# KiCad board VNA.kicad_pcb (continued)
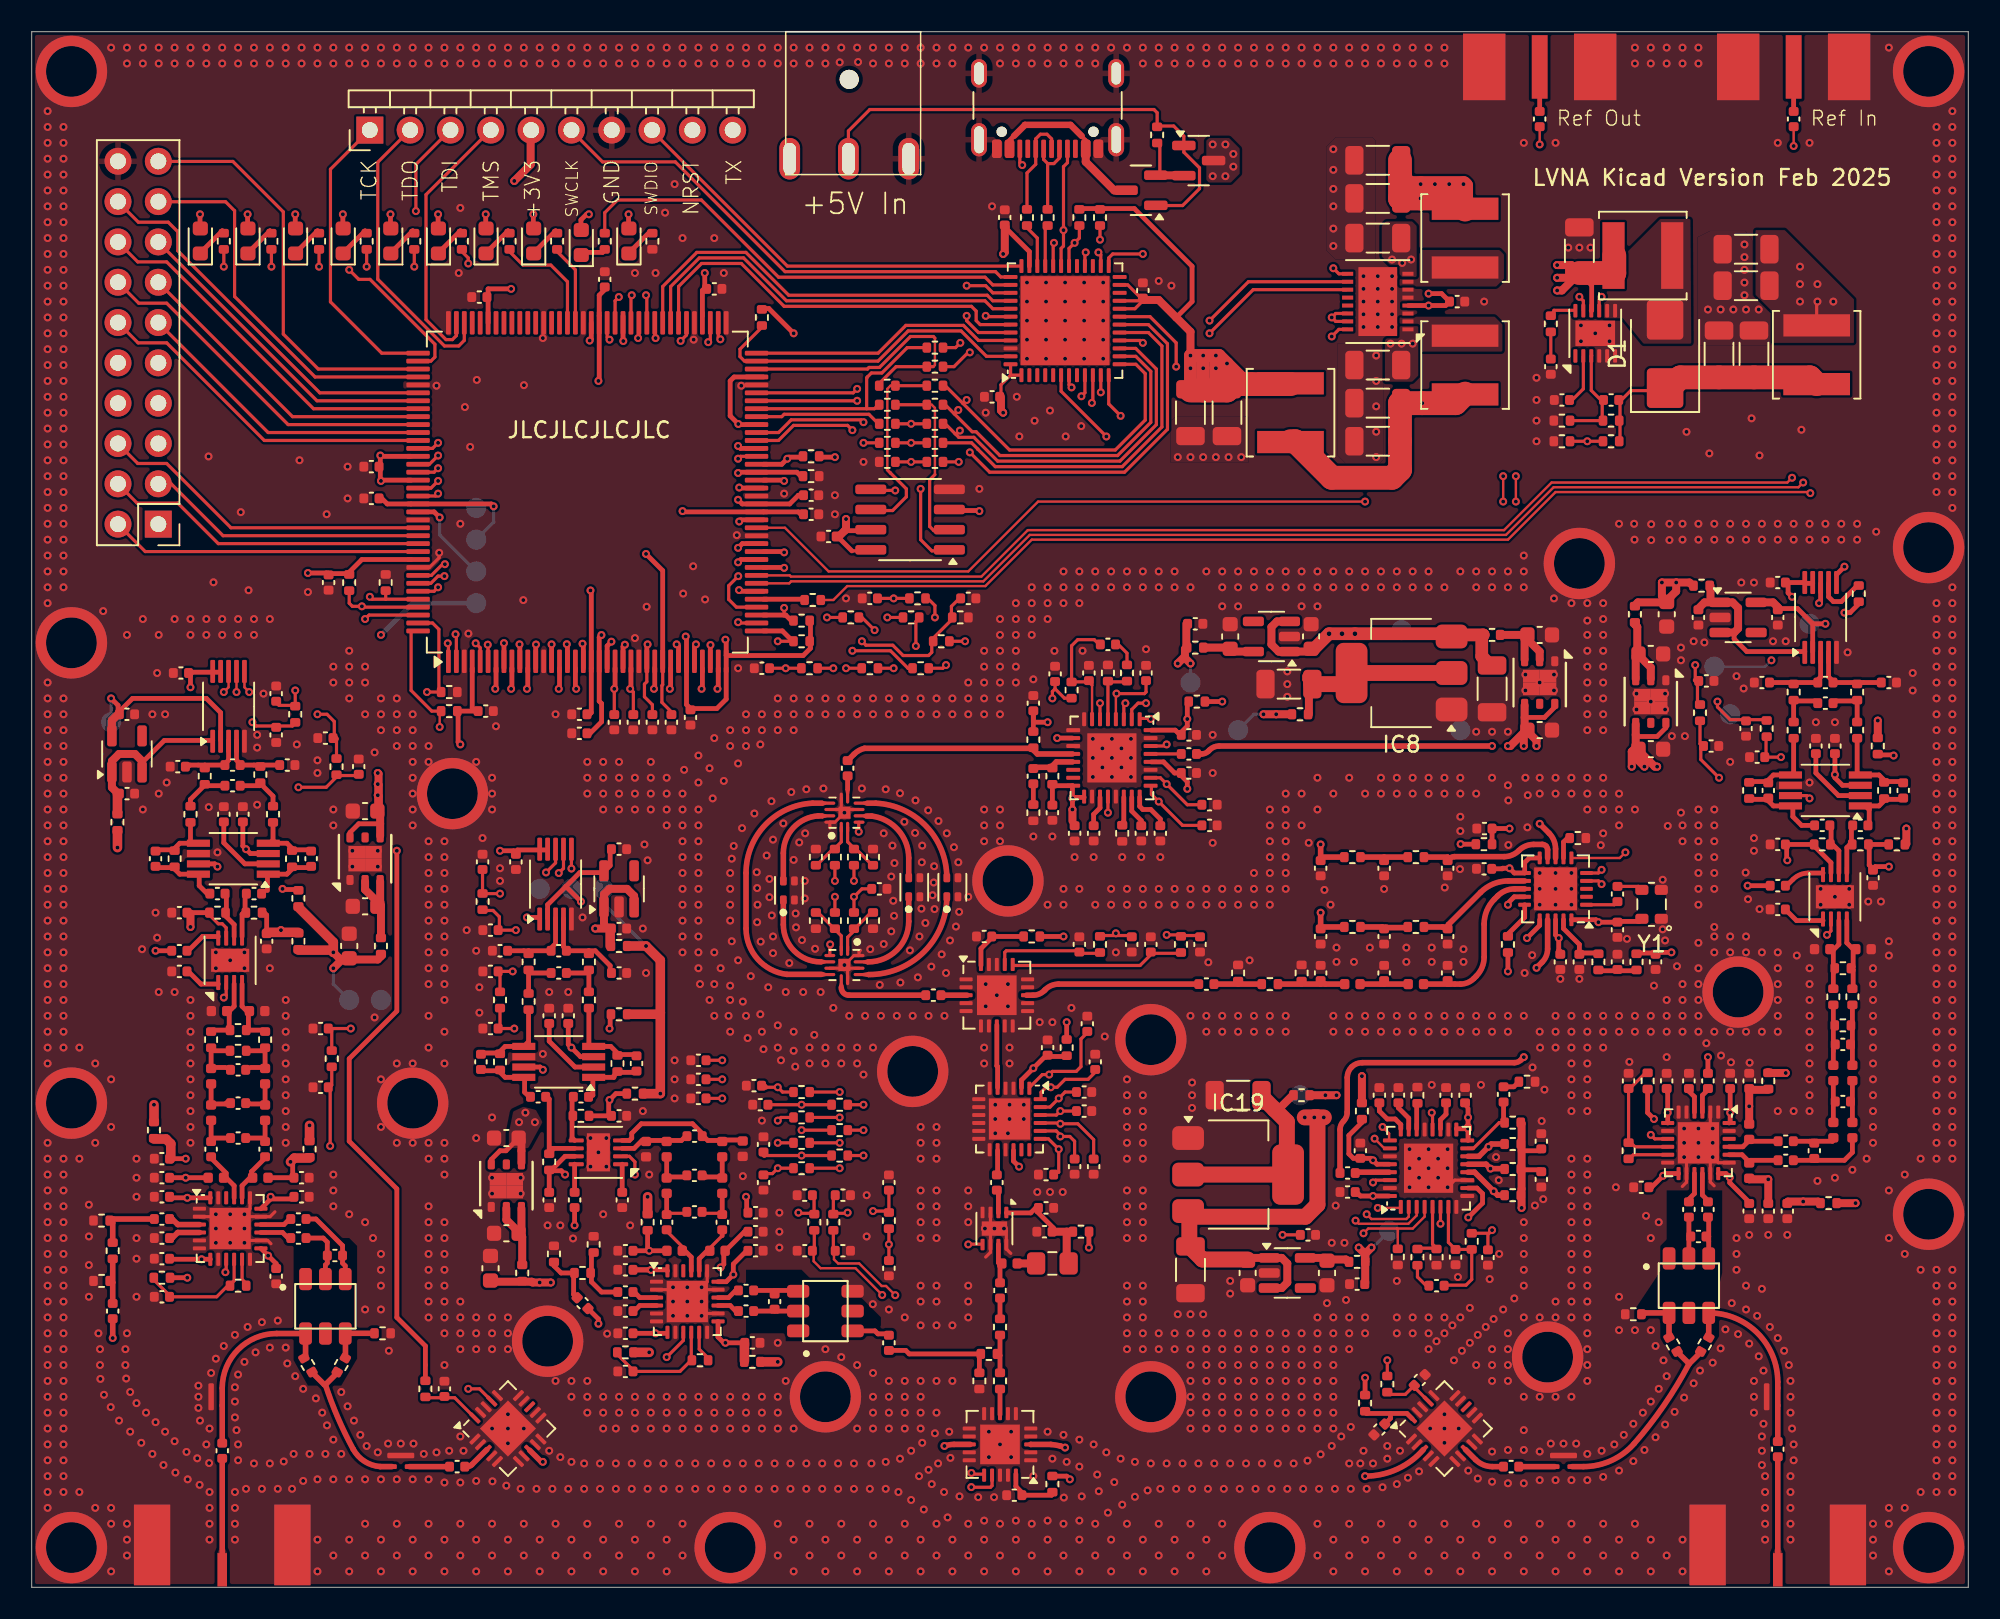
[diagram p0: board, top side]
## Nets (continued)
GND: C1.2 C2.2 C3.2 C4.1 C5.1 C6.1 C7.2 C8.2 C10.2 C11.2 C12.2 C13.2 C14.2 C15.2 C16.2 C17.2 C18.1 C19.1 C20.1 C21.1 C22.1 C23.1 C24.1 C25.1 C26.1 C27.1 C28.1 C29.1 C31.1 C32.1 C33.1 C35.2 C36.2 C37.2 C38.2 C40.2 C41.2 C42.2 C43.2 C44.2 C45.2 C46.2 C47.2 C49.2 C50.2 C52.2 C53.2 C54.2 C55.2 C56.2 C57.2 C58.2 C59.2 C60.2 C61.2 C63.2 C64.2 C67.1 C69.2 C70.2 C72.2 C73.2 C75.2 C76.2 C77.2 C78.2 C79.2 C81.2 C82.2 C83.2 C84.2 C85.2 C86.2 C87.2 C88.2 C89.2 C90.2 C91.2 C94.2 C95.1 C97.1 C102.1 C103.1 C104.2 C105.2 C106.2 C108.2 C111.2 C115.1 C116.2 C117.2 C118.1 C119.2 C122.2 C125.1 C127.2 C129.2 C131.2 C132.1 C134.1 C139.1 C140.1 C141.2 C142.2 C143.2 C145.2 C148.2 C152.1 C153.2 C154.2 C155.1 C156.2 C159.2 C162.1 C164.2 C166.2 C168.2 C169.1 C171.2 C172.2 C175.2 C177.2 C180.2 C181.1 C182.2 C185.2 C186.1 C187.1 C189.2 C190.2 C193.2 C195.2 C198.2 C199.1 C201.1 C204.1 C205.1 C206.2 C207.2 C208.2 C209.2 C210.2 C211.2 C212.2 C213.2 C214.2 C215.2 C216.2 C217.2 C218.2 C219.2 C220.2 C221.2 C222.2 C223.2 C224.2 C225.2 C226.2 C227.2 C228.2 C229.2 C230.2 C231.2 C232.2 C233.2 C234.2 C235.2 C236.2 C237.2 C238.2 C239.2 C240.2 C241.2 C242.2 C243.2 C244.2 C245.2 C246.2 C247.2 C248.2 C249.2 C250.2 C251.2 C252.2 C253.2 C254.2 C255.2 C256.2 C257.2 C258.2 C259.2 C260.2 C261.2 C262.2 C263.2 C264.2 C265.2 C266.2 C267.2 C268.2 C271.2 C272.2 C273.2 C274.2 IC1.4 IC1.5 IC1.6 IC1.13 IC2.3 IC2.5 IC2.6 IC2.17 IC3.1 IC3.7 IC4.1 IC4.7 IC5.1 IC5.7 IC6.1 IC6.7 IC7.21 IC8.1 IC9.2 IC10.8 IC10.9 IC10.11 IC10.18 IC10.21 IC10.27 IC10.31 IC10.33 IC11.5 IC11.8 IC11.10 IC11.12 IC11.13 IC12.5 IC12.8 IC12.10 IC12.12 IC12.13 IC13.1 IC13.2 IC13.4 IC13.5 IC13.6 IC13.7 IC13.9 IC13.10 IC13.11 IC13.12 IC13.14 IC13.15 IC13.18 IC13.19 IC13.21 IC14.3 IC14.4 IC14.6 IC14.7 IC14.8 IC14.9 IC14.10 IC14.11 IC14.12 IC14.13 IC14.15 IC14.25 IC15.3 IC15.4 IC15.6 IC15.8 IC15.9 IC16.1 IC16.2 IC16.4 IC16.5 IC16.6 IC16.7 IC16.9 IC16.10 IC16.11 IC16.12 IC16.14 IC16.15 IC16.18 IC16.19 IC16.21 IC17.1 IC17.2 IC17.4 IC17.5 IC17.6 IC17.7 IC17.9 IC17.10 IC17.11 IC17.12 IC17.14 IC17.15 IC17.16 IC17.18 IC17.19 IC17.21 IC18.1 IC18.2 IC18.4 IC18.5 IC18.6 IC18.7 IC18.9 IC18.10 IC18.11 IC18.12 IC18.14 IC18.15 IC18.16 IC18.18 IC18.19 IC18.21 IC19.1 IC20.2 IC21.8 IC21.9 IC21.11 IC21.18 IC21.21 IC21.27 IC21.31 IC21.33 IC22.9 IC23.6 IC24.1 IC24.2 IC24.5 IC24.6 IC24.8 IC24.12 IC24.14 IC24.17 IC24.19 IC24.23 IC24.25 IC25.2 IC26.5 IC27.9 IC28.6 IC29.1 IC29.2 IC29.5 IC29.6 IC29.8 IC29.12 IC29.14 IC29.17 IC29.19 IC29.23 IC29.25 IC30.2 IC31.5 IC32.6 IC33.1 IC33.2 IC33.5 IC33.6 IC33.8 IC33.12 IC33.14 IC33.17 IC33.19 IC33.23 IC33.25 IC34.2 IC35.5 IC36.9 IC37.46 IC37.49 J1.2 J2.G@1 J2.G@2 J2.G@3 J2.G@4 J3.G@1 J3.G@2 J3.G@3 J3.G@4 J4.A1 J4.A12 J4.B1 J4.B12 J4.S1 JP1.7 JP2.20 L30.2 L31.2 L38.2 L39.2 L52.2 L53.2 LP1.2 LP1.3 LP2.2 LP2.3 LP3.2 LP3.3 R3.1 R5.1 R6.1 R7.2 R9.1 R10.1 R11.1 R14.1 R17.2 R18.2 R19.2 R23.2 R25.2 R28.1 R30.1 R31.1 R38.1 R39.2 R40.3 R47.3 R48.3 R49.3 R50.2 R74.2 R75.2 R76.2 R78.2 R79.2 R115.2 R122.1 R131.1 R133.1 R134.2 T3.4 TP4.1 TP6.1 TP8.1 TP10.1 TP12.1 U1.4 U2.3 U2.13 U2.25 U2.49 U2.54 U2.68 U2.73 U2.77 U2.91 U2.96 U2.108 U2.113 U2.130 U2.136 X1.G@1 X1.G@2 X1.G@3 X1.G@4 X2.G@1 X2.G@2 X2.G@3 X2.G@4 Y1.1 Y1.2
VCCINT: C7.1 C10.1 C212.1 C213.1 C216.1 C220.1 C222.1 IC2.9 L2.2 TP1.1 U2.19 U2.28 U2.52 U2.89 U2.128
+5V/1: C26.2 L6.2 L12.2 L13.2 L15.2 L16.2 L17.2 R60.1 TP5.1
+5V/2: C27.2 L7.2 L54.2 L55.2 L56.2 L57.2 L58.2 R87.1 TP7.1
+5V/3: C28.2 L8.2 L59.2 L60.2 L61.2 L62.2 L63.1 R101.1 TP9.1
+5V/4: C49.1 C50.1 C78.1 C79.1 IC8.3 IC9.1 IC9.3 IC19.3 IC20.1 IC20.3 L9.2 TP11.1
/1.LO/LO1_BIAS_FILT: C89.1 IC21.23
/1.LO/LO1_CPO: C90.1 C92.2 IC21.7 R36.1
/1.LO/LO1_NOISE_FILT: C88.1 IC21.19
/1.LO/LO1_REFC: C80.2 IC21.29
/1.LO/LO1_REG: C87.1 IC21.24
/1.LO/LO1_RFOUTB_N: C93.2 IC21.15 R35.1
/1.LO/LO1_RFOUTB_N_RC: C93.1 R38.2
/1.LO/LO1_RST: IC21.22 R30.2
/1.LO/LO1_SW: IC21.5 R37.2 R39.1
/1.LO/LO1_SW_RC: C92.1 R37.1
/1.LO/LO1_TUNE: C95.2 IC21.20 R36.2
/2.LO + Ref Clock/CLK_CLKIN: C30.2 IC7.6
/2.LO + Ref Clock/CLK_CLKOUT: C39.1 IC7.16
/2.LO + Ref Clock/CLK_OEB: IC7.7 R6.2
/2.LO + Ref Clock/CLK_PORT1LO2: C37.1 IC7.9 R51.1
/2.LO + Ref Clock/CLK_PORT2_LO2: C35.1 IC7.19 R41.1
/2.LO + Ref Clock/CLK_REFLO2: C36.1 IC7.12 R43.1
/2.LO + Ref Clock/CLK_SOURCE_LB: C38.1 IC7.13 L14.1
/2.LO + Ref Clock/CLK_XTAL: C34.2 Y1.3
/2.LO + Ref Clock/CLK_XTAL_C: C34.1 IC7.1
/2.LO + Ref Clock/CLKIN: C30.1 X1.1
/2.LO + Ref Clock/CLKOUT: C39.2 X2.1
/Attenuator Amp Switches/AMP_PWDN_F: C244.1 IC15.5 R153.1
/Attenuator Amp Switches/ATT_D0R: C250.1 IC14.1 R156.1
/Attenuator Amp Switches/ATT_D1R: C252.1 IC14.24 R157.1
/Attenuator Amp Switches/ATT_D2R: C254.1 IC14.23 R158.1
/Attenuator Amp Switches/ATT_D3R: C256.1 IC14.22 R159.1
/Attenuator Amp Switches/ATT_D4R: C261.1 IC14.21 R162.2
/Attenuator Amp Switches/ATT_D5R: C259.1 IC14.20 R161.2
/Attenuator Amp Switches/ATT_D6R: C257.1 IC14.19 R160.2
/Attenuator Amp Switches/HB_SEL: C246.1 IC13.17 R154.1
/Attenuator Amp Switches/LB_SEL: C248.1 IC13.16 R155.1
/Attenuator Amp Switches/PORTSW1_CTL_F: C240.1 IC16.16 R151.1
/Attenuator Amp Switches/PORTSW1_CTL_F2: C242.1 IC18.17 R152.1
/Attenuator Amp Switches/PORTSW2_CTL_F: C238.1 IC16.17 R150.1
/Attenuator Amp Switches/PORTSW2_CTL_F2: C236.1 IC17.17 R149.1
/Attenuator Amp Switches/RF_HBLB_AMP: C74.1 IC15.7 L24.2
/Attenuator Amp Switches/RF_HBLB_AMP_C: C74.2 R26.1
/Attenuator Amp Switches/RF_HBLB_AMP_IN: C71.2 IC15.2
/Attenuator Amp Switches/RF_HBLB_ATT: C71.1 IC14.14
/Attenuator Amp Switches/RF_HBLB_PORT1: IC16.13 IC18.8
/Attenuator Amp Switches/RF_HBLB_PORT2: IC16.3 IC17.3
/Attenuator Amp Switches/RF_HBLB_REF: IC16.8 R29.2
/Attenuator Amp Switches/RF_HBLB_REF_R: R26.2 R27.2 R29.1
/Attenuator Amp Switches/RF_HBLB_SWITCH: IC13.8 IC14.5
/FPGA/FPGA_CLK_R: R126.2 U2.50
/FPGA/FPGA_L34_N: JP2.4 U2.133
/FPGA/FPGA_L34_P: JP2.2 U2.134
/FPGA/FPGA_L35_N: JP2.6 U2.131
/FPGA/FPGA_L35_P: JP2.3 U2.132
/FPGA/FPGA_L36_N: JP2.8 U2.126
/FPGA/FPGA_L36_P: JP2.5 U2.127
/FPGA/FPGA_L37_N: JP2.10 U2.123
/FPGA/FPGA_L37_P: JP2.7 U2.124
/FPGA/FPGA_L62_N: JP2.12 U2.120
/FPGA/FPGA_L62_P: JP2.9 U2.121
/FPGA/FPGA_L63_N: JP2.14 U2.118
/FPGA/FPGA_L63_P: JP2.11 U2.119
/FPGA/FPGA_L64_N: JP2.16 U2.116
/FPGA/FPGA_L64_P: JP2.13 U2.117
/FPGA/FPGA_L65_N: JP2.18 U2.114
/FPGA/FPGA_L65_P: JP2.15 U2.115
/FPGA/FPGA_L66_N: JP2.19 U2.111
/FPGA/FPGA_L66_P: JP2.17 U2.112
/FPGA/LED2C: LED2.1 R134.1
/FPGA/LED3: R135.2 U2.92
/FPGA/LED3C: LED3.1 R135.1
/FPGA/LED4: R136.2 U2.93
/FPGA/LED4C: LED4.1 R136.1
/FPGA/LED5: R137.2 U2.88
/FPGA/LED5C: LED5.1 R137.1
/FPGA/LED6: R138.2 U2.87
/FPGA/LED6C: LED6.1 R138.1
/FPGA/LED7: R139.2 U2.85
/FPGA/LED7C: LED7.1 R139.1
/FPGA/LED8: R140.2 U2.84
/FPGA/LED8C: LED8.1 R140.1
/FPGA/LED9: R141.2 U2.83
/FPGA/LED9C: LED9.1 R141.1
/FPGA/LED10: R142.2 U2.82
/FPGA/LED10C: LED10.1 R142.1
/FPGA/PORT2_SCLK_R: R124.2 U2.41
/FPGA/PORT2_SDO_R: R123.2 U2.43
/FPGA/PORT2MIX1_EN_FPGA: C234.1 R121.1 R148.2 U2.58
/FPGA/PORT2MIX2_EN_FPGA: C232.1 R122.2 R147.1 U2.57
/HF Source/FILT_IN_C1_R: IC11.2 R18.1 R21.1
/HF Source/FILT_IN_C2_R: IC11.1 R19.1 R20.1
/HF Source/FILT_OUT_C1_R: IC12.2 R24.1 R25.1
/HF Source/FILT_OUT_C2_R: IC12.1 R22.1 R23.1
/HF Source/SRC_BIAS_FILT: C60.1 IC10.23
/HF Source/SRC_CE: C268.1 IC10.4 R163.1
/HF Source/SRC_CP_OUT: C63.1 C66.1 IC10.7 R15.1
/HF Source/SRC_DATA: IC10.2 R67.1
/HF Source/SRC_FILT_IN_ANT: C65.2 IC11.7
/HF Source/SRC_FILT_IN_RF1: IC11.11 LP1.4
/HF Source/SRC_FILT_IN_RF3: IC11.6 LP3.4
/HF Source/SRC_FILT_IN_RF4: IC11.4 LP2.4
/HF Source/SRC_FILT_OUT_ANT: C68.1 IC12.7
/HF Source/SRC_FILT_OUT_RF1: IC12.9 LP3.1
/HF Source/SRC_FILT_OUT_RF2: IC12.11 LP2.1
/HF Source/SRC_FILT_OUT_RF4: IC12.4 LP1.1
/HF Source/SRC_FILT_THRU: IC11.9 IC12.6
/HF Source/SRC_LD: C274.1 IC10.25 R69.1
/HF Source/SRC_LE: IC10.3 R68.1
/HF Source/SRC_MUX: IC10.30 R70.1
/HF Source/SRC_NOISE_FILT: C59.1 IC10.19
/HF Source/SRC_REF_IN: C51.2 IC10.29
/HF Source/SRC_REFOUT_EN: C272.1 IC10.26 R165.1
/HF Source/SRC_REG: C58.1 IC10.24
/HF Source/SRC_RFOUTA_N: C62.2 IC10.13 R13.1
/HF Source/SRC_RFOUTA_P: C65.1 IC10.12 R12.1
/HF Source/SRC_RSET: IC10.22 R10.2
/HF Source/SRC_SCK: IC10.1 R164.1
/HF Source/SRC_SW: IC10.5 R16.2 R17.1
/HF Source/SRC_TUNE: C67.2 IC10.20 R15.2
/Microcontroller/FLASH_CS: R107.2 R114.1 U1.1
/Microcontroller/FLASH_MISO: R106.2 R113.1 U1.2
/Microcontroller/FLASH_MOSI: R105.2 R112.1 U1.5
/Microcontroller/FLASH_SCK: R104.2 R111.1 U1.6
/Microcontroller/LED1C: LED1.1 R120.1
/Microcontroller/LED2: IC37.38 R120.2
/Microcontroller/MCU_USB_DN: IC37.33 R118.2
/Microcontroller/MCU_USB_DP: IC37.34 R119.1
/Port 1/RF_PORT1_LO1_C: C269.2 R74.1 R168.2
/Port 1/RF_PORT1_LO1_CR: C114.1 R75.1 R168.1
/Port 1/RF_PORT1_LO1_CRC: C114.2 IC24.3
/Power Supply/PWR_DET: J1.3 Q1.1 Q2.1 R125.1
/Power Supply/USB_5V: Q1.2 Q2.2 R125.2
/Power Supply/VREG3V3_SW: IC2.2 L3.1
/Power Supply/VREG3V3_SWL: C8.1 C11.1 IC2.16 L3.2 L4.1
/Power Supply/VREG5V/1: C22.2 IC3.2 IC3.3 L6.1
/Power Supply/VREG5V/2: C23.2 IC4.2 IC4.3 L7.1
/Power Supply/VREG5V/3: C24.2 IC5.2 IC5.3 L8.1
/Power Supply/VREG5V/4: C25.2 IC6.2 IC6.3 L9.1
/Power Supply/VREG6V_COMP: IC1.12 R1.2
/Power Supply/VREG6V_FB: C9.2 IC1.3 R4.1 R5.2
/Power Supply/VREG6V_OVP: IC1.9 R2.1 R3.2
/Power Supply/VREG6V_SS: C4.2 IC1.2
/Power Supply/VREG6V_SW: D1.2 IC1.7 IC1.8 L1.2
/Power Supply/VREG6V_SWD: C9.1 C12.1 C13.1 D1.1 L5.1 R2.2 R4.2
/Power Supply/VREGINT_SW: IC2.7 L2.1
AMP_PWDN: C243.1 R153.2 U2.8
ATT_D0: C249.1 R156.2 U2.16
ATT_D1: C251.1 R157.2 U2.15
ATT_D2: C253.1 R158.2 U2.14
ATT_D3: C255.1 R159.2 U2.12
ATT_D4: C262.1 R162.1 U2.11
ATT_D5: C260.1 R161.1 U2.10
ATT_D6: C258.1 R160.1 U2.9
FILT_IN_C1: C263.1 R21.2 U2.26
FILT_IN_C2: C264.1 R20.2 U2.24
FILT_OUT_C1: C266.1 R24.2 U2.22
FILT_OUT_C2: C265.1 R22.2 U2.23
FPGA_CCLK: R109.2 R111.2 U2.70
FPGA_CLK: IC7.15 R126.1
FPGA_CSO_B: R114.2 U2.38
FPGA_DIN: R110.2 R113.2 U2.65
FPGA_DONE: IC37.47 R129.1 U2.71
FPGA_INIT_B: IC37.6 R128.1 U2.39
FPGA_M1: R108.2 R115.1 U2.60
FPGA_MOSI: R112.2 U2.64
FPGA_PROGRAM_B: IC37.19 R127.1 U2.37
FPGA_RESET: IC37.45 U2.72
FPGA_TCK: JP1.1 U2.109
FPGA_TDI: JP1.3 U2.110
FPGA_TDO: JP1.2 U2.106
FPGA_TMS: JP1.4 U2.107
HIGHBAND_SELECT: C245.1 R154.2 U2.21
I2C_SCL: IC2.11 IC7.4 IC37.16 R116.1
I2C_SDA: IC2.10 IC7.5 IC37.30 R117.1
LO1_CE: IC21.4 R31.2 U2.45
LO1_CLK: IC21.1 U2.48
LO1_LD: IC21.25 U2.56
LO1_LE: IC21.3 U2.46
LO1_MOSI: IC21.2 U2.47
LO1_MUX: IC21.30 U2.51
LO1_REF: C80.1 IC7.17
LO1_RF_EN: IC21.26 U2.55
LOWBAND_SELECT: C247.1 R155.2 U2.17
MCU_AUX1: IC37.9 U2.78
MCU_AUX2: IC37.10 U2.74
MCU_AUX3: IC37.11 U2.75
MCU_FLASH_CS: IC37.17 R107.1
MCU_FPGA_CCLK: IC37.26 R109.1
MCU_FPGA_DIN: IC37.28 R110.1
MCU_FPGA_NSS: IC37.12 U2.67
MCU_FPGA_UNUSED1: IC37.43 U2.79
MCU_FPGA_UNUSED2: IC37.41 U2.80
MCU_FPGA_UNUSED3: IC37.40 U2.81
MCU_INTR: IC37.18 U2.59
MCU_MISO: IC37.14 R106.1 U2.62
MCU_MOSI: IC37.15 R105.1 U2.61
MCU_NRST: IC37.7 JP1.9
MCU_SCK: IC37.13 R104.1 U2.66
MCU_SWCLK: IC37.37 JP1.6
MCU_SWDIO: IC37.36 JP1.8
MCU_UART_TX: IC37.39 JP1.10
PORT1_CONVSTART: IC26.6 U2.139
PORT1_SCLK: IC26.8 U2.137
PORT1_SDO: IC26.7 U2.138
PORT1LO1: C269.1 IC21.12 R32.1
PORT1LO2: C46.1 C98.1 R52.2
PORT1MIX1_EN: C230.1 IC24.9 R146.2
PORT1MIX2_EN: C228.1 IC22.2 IC23.7 R145.1
PORT1SRC: C96.1 IC18.3
PORT1SWITCH: C241.1 R152.2 U2.142
PORT2_CONVSTART: IC31.6 U2.44
PORT2_SCLK: IC31.8 R124.1
PORT2_SDO: IC31.7 R123.1
PORT2LO1: C151.1 IC21.14 R34.1
PORT2LO2: C44.1 C135.1 R42.2
PORT2MIX1_EN: C233.1 IC29.9 R148.1
PORT2MIX2_EN: C231.1 IC27.2 IC28.7 R147.2
PORT2SRC: C133.1 IC17.8
PORT2SWITCH: C235.1 R149.2 U2.40
PORTSWITCH1: C239.1 R151.2 U2.6
PORTSWITCH2: C237.1 R150.2 U2.7
REF_CONVSTART: IC35.6 U2.5
REF_SCLK: IC35.8 U2.1
REF_SDO: IC35.7 U2.2
REFLO1: C270.1 IC21.13 R33.1
REFLO2: C45.1 C200.1 R44.2
REFMIX1_EN: C226.1 IC33.9 R144.2
REFMIX2_EN: C224.1 IC32.7 IC36.2 R143.1
REFSRC: C170.1 R27.1 R28.2
SOURCE_CE: C267.1 R11.2 R163.2 U2.27
SOURCE_CLK: R164.2 U2.32
SOURCE_HIGHBAND: C68.2 IC13.3
SOURCE_LD: C273.1 R69.2 U2.35
SOURCE_LE: R68.2 U2.29
SOURCE_LOWBAND: C48.1 IC13.13
SOURCE_MOSI: R67.2 U2.30
SOURCE_MUX: R70.2 U2.33
SOURCE_REF: C51.1 IC7.8
SOURCE_RF_EN: C271.1 R165.2 U2.34
USB_CC1: IC37.31 IC37.44 J4.A5
USB_CC2: IC37.32 IC37.42 J4.B5
USB_DN: J4.A7 J4.B7 R118.1
USB_DP: J4.A6 J4.B6 R119.2
USB_POWER: J4.A4 J4.A9 J4.B4 J4.B9 Q1.3
VREG6V_EN: IC1.11 IC37.25
Net-(C5-Pad2): C5.2 R1.1
Net-(C40-Pad1): C40.1 R41.2 R42.1
Net-(C41-Pad1): C41.1 R43.2 R44.1
Net-(C42-Pad1): C42.1 R51.2 R52.1
Net-(C43-Pad1): C43.1 L14.2 L18.1
Net-(C47-Pad1): C47.1 L18.2 R7.1 R8.1
Net-(C48-Pad2): C48.2 R8.2 R9.2
Net-(C62-Pad1): C62.1 R14.2
Net-(C66-Pad2): C66.2 R16.1
Net-(C96-Pad2): C96.2 R49.1
Net-(C99-Pad1): C99.1 J2.1
Net-(C112-Pad2): C112.2 IC23.5 R55.2 R58.2
Net-(C113-Pad1): C113.1 IC23.4 R56.1 R59.2
Net-(C119-Pad1): C119.1 C122.1 L16.1 L32.1 L33.1
Net-(C120-Pad2): C120.2 C124.1 L34.1
Net-(C121-Pad1): C121.1 R58.1 R61.2
Net-(C121-Pad2): C121.2 R59.1 R62.2
Net-(C123-Pad2): C123.2 C124.2 L35.1
Net-(C128-Pad1): C128.1 L34.2 L36.1
Net-(C128-Pad2): C128.2 L35.2 L37.1
Net-(C130-Pad1): C130.1 L36.2 R63.2 R64.2
Net-(C130-Pad2): C130.2 L37.2 R63.1 R65.2
Net-(C133-Pad2): C133.2 R40.2
Net-(C136-Pad1): C136.1 J3.1
Net-(C149-Pad2): C149.2 IC28.5 R82.2 R85.2
Net-(C150-Pad1): C150.1 IC28.4 R83.1 R86.2
Net-(C156-Pad1): C156.1 C159.1 L40.1 L41.1 L55.1
Net-(C157-Pad2): C157.2 C161.1 L42.1
Net-(C158-Pad1): C158.1 R85.1 R88.2
Net-(C158-Pad2): C158.2 R86.1 R89.2
Net-(C160-Pad2): C160.2 C161.2 L43.1
Net-(C165-Pad1): C165.1 L42.2 L44.1
Net-(C165-Pad2): C165.2 L43.2 L45.1
Net-(C167-Pad1): C167.1 L44.2 R90.2 R91.2
Net-(C167-Pad2): C167.2 L45.2 R90.1 R92.2
Net-(C173-Pad2): C173.2 IC32.5 R94.2 R96.2
Net-(C174-Pad1): C174.1 IC32.4 R95.1 R97.2
Net-(C183-Pad1): C183.1 R79.1 R173.1
Net-(C184-Pad1): C184.1 R96.1 R98.2
Net-(C184-Pad2): C184.2 R97.1 R99.2
Net-(C190-Pad1): C190.1 C193.1 L46.1 L47.1 L60.1
Net-(C191-Pad2): C191.2 C194.1 L48.1
Net-(C192-Pad2): C192.2 C194.2 L49.1
Net-(C196-Pad1): C196.1 L48.2 L50.1
Net-(C196-Pad2): C196.2 L49.2 L51.1
Net-(C270-Pad2): C270.2 R78.1 R173.2
Net-(IC22-IN+): IC22.3 L30.1 R65.1 R66.2
Net-(IC22-IN-): IC22.4 L31.1 R64.1 R66.1
Net-(IC22-LO+): C98.2 IC22.8
Net-(IC22-LO-): C97.2 IC22.1
Net-(IC22-OUT+): C100.1 IC22.6 R53.2
Net-(IC22-OUT-): C101.1 IC22.5 R54.2
Net-(IC22-VCC): C102.2 C103.2 IC22.7 L12.1 R53.1 R54.1
Net-(IC23-+): C100.2 C112.1 IC23.8 R55.1
Net-(IC23--): C101.2 C113.2 IC23.1 R56.2
Net-(IC23-V_{OCM}): C116.1 IC23.2
Net-(IC23-V_{S+}): C115.2 IC23.3 L15.1
Net-(IC24-DETO): IC24.11 R57.2
Net-(IC24-IN+): C109.2 IC24.15
Net-(IC24-IN-): C110.2 IC24.16
Net-(IC24-LO-): C117.1 IC24.4
Net-(IC24-OUT+): C120.1 IC24.20 L32.2
Net-(IC24-OUT-): C123.1 IC24.21 L33.2
Net-(IC24-VPDT): C104.1 C105.1 C106.1 C108.1 C111.1 IC24.7 IC24.13 IC24.18 IC24.24 L17.1
Net-(IC24-VSET): C118.2 IC24.10 R57.1 R60.2
Net-(IC25-EN): C129.1 IC25.1 IC25.3 IC26.1 L13.1
Net-(IC25-OUT): C131.1 IC25.5 IC26.2 TP17.1
Net-(IC26-AIN+): C125.2 C126.1 IC26.3 R61.1
Net-(IC26-AIN-): C126.2 C127.1 IC26.4 R62.1
Net-(IC27-IN+): IC27.3 L38.1 R92.1 R93.2
Net-(IC27-IN-): IC27.4 L39.1 R91.1 R93.1
Net-(IC27-LO+): C135.2 IC27.8
Net-(IC27-LO-): C134.2 IC27.1
Net-(IC27-OUT+): C137.1 IC27.6 R80.2
Net-(IC27-OUT-): C138.1 IC27.5 R81.2
Net-(IC27-VCC): C139.2 C140.2 IC27.7 L57.1 R80.1 R81.1
Net-(IC28-+): C137.2 C149.1 IC28.8 R82.1
Net-(IC28--): C138.2 C150.2 IC28.1 R83.2
Net-(IC28-V_{OCM}): C153.1 IC28.2
Net-(IC28-V_{S+}): C152.2 IC28.3 L56.1
Net-(IC29-DETO): IC29.11 R84.2
Net-(IC29-IN+): C146.2 IC29.15
Net-(IC29-IN-): C147.2 IC29.16
Net-(IC29-LO+): C151.2 IC29.3
Net-(IC29-LO-): C154.1 IC29.4
Net-(IC29-OUT+): C157.1 IC29.20 L40.2
Net-(IC29-OUT-): C160.1 IC29.21 L41.2
Net-(IC29-VPDT): C141.1 C142.1 C143.1 C145.1 C148.1 IC29.7 IC29.13 IC29.18 IC29.24 L54.1
Net-(IC29-VSET): C155.2 IC29.10 R84.1 R87.2
Net-(IC30-EN): C166.1 IC30.1 IC30.3 IC31.1 L58.1
Net-(IC30-OUT): C168.1 IC30.5 IC31.2 TP18.1
Net-(IC31-AIN+): C162.2 C163.1 IC31.3 R88.1
Net-(IC31-AIN-): C163.2 C164.1 IC31.4 R89.1
Net-(IC32-+): C173.1 C202.2 IC32.8 R94.1
Net-(IC32--): C174.2 C203.2 IC32.1 R95.2
Net-(IC32-V_{OCM}): C182.1 IC32.2
Net-(IC32-V_{S+}): C181.2 IC32.3 L62.1
Net-(IC33-DETO): IC33.11 R100.2
Net-(IC33-IN+): C178.2 IC33.15
Net-(IC33-IN-): C179.2 IC33.16
Net-(IC33-LO+): C183.2 IC33.3
Net-(IC33-LO-): C185.1 IC33.4
Net-(IC33-OUT+): C191.1 IC33.20 L46.2
Net-(IC33-OUT-): C192.1 IC33.21 L47.2
Net-(IC33-VPDT): C171.1 C172.1 C175.1 C177.1 C180.1 IC33.7 IC33.13 IC33.18 IC33.24 L59.1
Net-(IC33-VSET): C186.2 IC33.10 R100.1 R101.2
Net-(IC34-EN): C195.1 IC34.1 IC34.3 IC35.1 L63.2
Net-(IC34-OUT): C198.1 IC34.5 IC35.2 TP19.1
Net-(IC35-AIN+): C187.2 C188.1 IC35.3 R98.1
Net-(IC35-AIN-): C188.2 C189.1 IC35.4 R99.1
Net-(IC36-IN+): C197.2 IC36.3 L51.2 L53.1
Net-(IC36-IN-): C197.1 IC36.4 L50.2 L52.1
Net-(IC36-LO+): C200.2 IC36.8
Net-(IC36-LO-): C199.2 IC36.1
Net-(IC36-OUT+): C202.1 IC36.6 R102.2
Net-(IC36-OUT-): C203.1 IC36.5 R103.2
Net-(IC36-VCC): C204.2 C205.2 IC36.7 L61.1 R102.1 R103.1
Net-(R40-Pad1): R40.1 R72.2 R73.2
Net-(R45-Pad2): R45.2 R46.2 R49.2
Net-(T1-IN+): C107.1 C110.1 T1.3
Net-(T1-IN-): C107.2 C109.1 T1.2
Net-(T1-OUT+): R46.1 R50.1 T1.4
Net-(T1-OUT-): C99.2 R45.1 R48.1 R48.2 T1.6
Net-(T2-IN+): C144.1 C147.1 T2.3
Net-(T2-IN-): C144.2 C146.1 T2.2
Net-(T2-OUT+): C136.2 R47.1 R47.2 R72.1 T2.4
Net-(T2-OUT-): R73.1 R76.1 T2.6
Net-(T3-IN+): C176.1 C179.1 T3.3
Net-(T3-IN-): C176.2 C178.1 T3.2
Net-(T3-OUT-): C170.2 T3.6
Net-(U2A-IO_L1N_VREF_0): C223.1 R133.2 R143.2 U2.143
Net-(U2A-IO_L1P_HSWAPEN_0): C225.1 R132.1 R144.1 U2.144
Net-(U2A-IO_L2N_0): C229.1 R130.1 R146.1 U2.141
Net-(U2A-IO_L3P_0): C227.1 R131.2 R145.2 U2.140

Pads without a net: IC1 1; IC2 12 13; IC3 5; IC4 5; IC5 5; IC6 5; IC7 2 3; IC9 4; IC10 14 15; IC14 17 18; IC17 13; IC18 13; IC20 4; IC24 22; IC25 4; IC29 22; IC30 4; IC33 22; IC34 4; IC37 2 3 4 5 8 22 24 27 29; J4 A8 B8; T1 1 5; T2 1 5; T3 1 5; U2 94 95 97 98 99 100 101 102 104 105

## Via types
v1: diameter 0.5, hole 0.25, Top to Bottom, 2908 vias
v2: diameter 4.5, hole 3.2, Top to Bottom, 21 vias
v3: diameter 0.6, hole 0.3, Top to Bottom, 3 vias

## Routing (per net, layer and track width the routed paths; a pad name or vN(x,y) marks a point on that pad's centre or on a via; arc(x,y) is an arc through that point)
+3V3: length 681.3
  Top w0.2: 24.8,13.06 24.8,14 ; 62.35,76.37 61.67,76.37 ; 61.67,76.37 61.06,75.76 61.06,75 ; 61.67,76.37 61.67,77.05 ; 73,75.4 v1(73,76.8) ; 57.46,70.9 v1(58.4,70.9) ; 70,81.05 69.5,80.55 68.53,80.55 ; 70,81.1 69.05,82.05 68.53,82.05 ; 52.8,65.29 51.67,65.29 ; 68.53,81.05 69.91,81.05
  Top w0.3: Y1.4 101.27,41.95 99.95,41.95 ; 46,80.56 46.44,80.56 v1(48,79) ; 48.54,68.8 48.3,68.8 47.75,68.25 44.76,68.25 v1(44.5,68.51) ; v1(44.56,62.82) 44.63,62.75 46.1,62.75 ; v1(31.6,86.5) 31.6,85.75 ; 37.25,80.1 37.25,78.53 v1(37.27,78.51) ; 97,42.05 98.55,42.05 v1(98.7,41.9) 99.9,41.9 ; 19.6,85.55 v1(19.6,86.5) ; 49.66,71.2 v1(50.6,71.2) ; 65.2,34.56 v1(65.2,35.6) ; 92.2,47.8 v1(93.1,47.8) ; 51.67,65.29 50.76,66.2 ; v1(42.4,82.8) 42.4,81.84 ; 18.7,63.86 20,63.86 20,63.95 20.8,64.75 23.9,64.75 ; v1(10,56.7) 10,57.56 ; v1(30.2,81.8) 28.75,81.8 U2.103 ; 10.6,85.55 v1(10.6,86.5) ; 43.75,57.9 43.75,55.95 43.16,55.36 41.5,55.36 41.25,55.61 41.25,59.85 v1(41.2,59.9) ; 42.44,81.8 42.35,81.8 42.25,81.7 42.25,80.1 ; 34.75,57.9 34.75,59.39 v1(34.7,59.44) ; v1(23,46.4) 23,36.3 20,33.3 20,28.1 23,25.1 23,17 24.8,15.2 24.8,13.06 ; v1(25.7,67.4) 25.35,67.75 23.9,67.75 ; v1(66.6,21.4) 66.6,22.34 ; 62.85,83.23 62.85,84.15 61.35,85.65 ; 52.8,66.56 51.21,66.56 ; v1(35.89,59.99) 35.75,59.85 35.75,55.82 35.9,55.67 35.9,54.53 35.17,53.8 35.06,53.8 ; 32.5,46.45 30.6,46.45 30.5,46.35 30.5,46.26 30.36,46.4 v1(29.5,46.4) ; 23.9,69.75 22.05,69.75 ; 22.05,69.75 21.96,69.84 v1(21.96,71.3) 22.01,71.25 23.9,71.25 ; 22.05,69.75 v1(22,69.7) ; 28.6,85.55 v1(28.6,86.5) ; 25.6,85.55 v1(25.6,86.5) ; 46.1,73.25 44.55,73.25 v1(44.51,73.29) 44,73.8 44,76 44.25,76.25 46.1,76.25 ; v1(35.1,86.5) 34.95,86.5 34.6,86.15 34.6,85.45 ; v1(43.7,59.7) 43.75,59.65 43.75,58.7 48.6,58.7 49.06,59.16 49.06,60.9 ; 73.96,55.8 v1(75,55.8) ; 63.56,41 v1(65,41) ; 22.6,85.55 v1(22.6,86.5) ; 72.1,80 73.1,81 73.1,83.22 69.46,86.86 66,86.86 ; v1(35.15,78.54) 35.25,78.64 U2.90 ; 37.6,85.55 v1(37.6,86.5) ; 13.6,85.55 v1(13.6,86.5) ; v1(17.4,63.9) 18.66,63.9 ; 9.96,57.6 10.05,57.6 10.1,57.65 11.9,57.65 ; 16.6,85.55 v1(16.6,86.5) ; 64.36,7 65.2,7 v1(65.4,6.8) ; 27.75,57.9 27.75,55.4 27.95,55.2 28.04,55.2 26.86,55.2 26.86,53.24 v1(27,53.1) ; v1(59.7,67.8) 59.67,67.83 58,67.83 ; 112.2,63.25 111.7,63.25 111.65,63.3 110.56,63.3 110.65,63.21 110.65,62.65 v1(110.9,62.4) ; 84,12.16 v1(84,13.2) ; C29.2 L10.1
  Top w0.5: v1(30.4,88.6) 31.43,89.63 31.43,91.79 ; 50.76,66.2 50.85,66.2 51.3,66.65 v1(51.3,67.3) ; v1(61.2,74) 61.06,74.14 61.06,75 ; v1(61.2,84) 61.3,84.1 61.3,85.74 61.35,85.69 61.35,85.65 ; 70,81.14 70.04,81.1 71,81.1 73,79.1 v1(73,77.6) ; 83.8,30.56 v1(83.8,32.2)
  Top w0.813: v1(74.6,77.6) 74.6,76.1 75.3,75.4 75.3,76.1 v1(74.6,76.8) ; 73,75.4 v1(73,77.6) 74.8,77.6 v1(75.3,77.1) 76.6,75.8 76.8,75.8 ; v1(73.8,77.6) 73.8,75.4
  Top w1.5: 73,75.4 75.3,75.4 75.7,75.8 79.3,75.8
  In3.Cu w0.15: v1(23,46.4) 23.1,46.5 29.4,46.5 v1(29.5,46.4) ; v1(65.4,6.8) 64.7,6.8 63.4,8.1 63.4,11.3 66.6,14.5 ; 66.6,14.5 v1(66.6,21.4) ; 66.6,14.5 82.7,14.5 v1(84,13.2)
  In3.Cu w0.5: v1(66.6,21.4) 66.6,34.2 v1(65.2,35.6)
  In4.Cu w0.2: v1(10.6,86.5) v1(13.6,86.5)
  In4.Cu w0.5: v1(22,69.7) 24.8,69.7 ; 24.8,69.7 24.8,67.3 ; 24.8,69.7 24.8,76.1 28.5,79.8 30.1,79.8 ; 24.8,67.3 24.9,67.4 v1(25.7,67.4) ; 24.8,67.3 24.8,63.9 ; v1(73,77.6) v1(74.6,77.6) 74.8,77.6 v1(75.3,77.1) ; v1(73,77.6) 69.4,77.6 68.1,76.3 61.2,76.3 ; v1(73,77.6) 73,77.2 ; 35.1,79.8 35.1,78.59 v1(35.15,78.54) ; 35.1,79.8 30.1,79.8 ; 35.1,79.8 37.5,79.8 ; 35.1,79.8 v1(35.1,86.5) ; 30.1,79.8 30.2,79.9 v1(30.2,81.8) ; 26.5,60.8 24.8,62.5 24.8,63.9 ; 26.5,60.8 34.8,60.8 ; 26.5,60.8 26.25,60.55 26.23,60.55 25.55,59.87 25.55,57.95 27,56.5 v1(27,53.1) ; v1(74.6,76.8) 74.6,75.9 83.7,66.8 86.2,66.8 90,63 90,52 92,50 92,48.9 v1(93.1,47.8) 94.1,46.8 96.5,46.8 97.9,45.4 97.9,42.7 v1(98.7,41.9) 98.7,38.47 97.42,37.2 96.2,37.2 93,34 85.6,34 v1(83.8,32.2) ; v1(74.6,76.8) 75,76.8 v1(75.3,77.1) ; v1(74.6,76.8) v1(73.8,76.8) ; v1(30.4,88.6) 30.4,86.5 ; 30.4,86.5 v1(28.6,86.5) 27.9,85.8 26.3,85.8 v1(25.6,86.5) 24.9,85.8 23.3,85.8 v1(22.6,86.5) v1(19.6,86.5) ; 30.4,86.5 v1(31.6,86.5) v1(35.1,86.5) ; 24.8,63.9 v1(17.4,63.9) 15.9,62.4 ; 43.7,62.9 44.48,62.9 v1(44.56,62.82) ; 43.7,62.9 43.7,68.5 ; 43.7,62.9 43.7,61.1 43.4,60.8 ; 34.8,60.8 34.7,60.7 v1(34.7,59.44) 34.7,59.2 32.05,56.55 32.05,48.95 v1(29.5,46.4) ; 34.8,60.8 36,60.8 ; 37.5,79.8 39.4,79.8 v1(42.4,82.8) ; 37.5,79.8 37.5,78.74 v1(37.27,78.51) ; 43.7,68.5 43.7,72.47 v1(44.51,73.29) 44.89,73.29 47.9,76.3 ; 43.7,68.5 44.49,68.5 v1(44.5,68.51) ; 41.2,60.8 36,60.8 ; 41.2,60.8 43.4,60.8 ; 41.2,60.8 v1(41.2,59.9) ; 36,60.8 36,60.1 v1(35.89,59.99) ; v1(61.2,84) 61.2,76.3 ; 61.2,76.3 47.9,76.3 ; 61.2,76.3 v1(61.2,74) 61.2,70.5 ; v1(10.6,86.5) v1(13.6,86.5) v1(19.6,86.5) ; v1(73.8,76.8) 73.8,74 71.3,71.5 71.3,65.7 74,63 74,56.8 v1(75,55.8) 75.6,55.2 75.6,49.3 71.3,45 68,45 66,43 66,42 v1(65,41) 64.6,40.6 64.6,36.22 64.95,35.87 64.95,35.85 v1(65.2,35.6) ; v1(73.8,76.8) v1(73,76.8) 73,77.2 ; v1(43.7,59.7) 43.7,60.5 43.4,60.8 ; v1(35.1,86.5) v1(37.6,86.5) ; 47.9,76.3 48,76.4 v1(48,79) ; v1(75.3,77.1) 75.6,76.8 89,76.8 100.8,65 108.3,65 v1(110.9,62.4) ; v1(75.3,77.1) 75.2,77.2 73,77.2 ; v1(19.6,86.5) v1(16.6,86.5) ; 15.9,62.4 11.33,66.97 7.97,66.97 ; 15.9,62.4 15.9,60.1 13.6,57.8 11.1,57.8 v1(10,56.7) ; v1(21.96,71.3) 24.8,71.3 ; v1(58.4,70.9) 58.8,70.5 61.2,70.5 ; 61.2,70.5 61.2,69.3 v1(59.7,67.8) 59.2,67.3 v1(51.3,67.3) 51.3,70.5 v1(50.6,71.2)
  Bottom w0.2: v1(25.7,67.4) 25.7,66.3 TP2.1
+5V: length 16.8
  Top w0.2: 82.87,79.75 82.15,79.75 v1(81.9,80) 82.15,80.25 82.87,80.25
  Top w0.3: v1(88,81.5) 88.82,81.5 89.24,81.08 ; 97.5,82.8 98.27,82.02 98.27,80.45 IC1.10 ; C6.2 89.07,80.75 v1(88,80.75) 86.73,80.75
  Top w0.5: v1(96.1,81.7) 96.4,81.7 97.5,82.8 97,83.3 v1(96.1,83.3) ; 97.2,82.5 v1(96.1,82.5)
  Top w1.5: 97.5,82.8 99.7,82.8 99.7,83.9
  vias: v1(74.4,90.9) v1(74.4,88.9) v1(75.2,90.9) v1(75.2,88.9) v1(75.7,90.3) v1(75.7,89.5) v1(85.6,78.35) v1(85.7,83.65) v1(86.34,83.43) v1(86.3,78.35) v1(86.9,83.65) v1(87,78.35)
+6V: length 47.1
  Top w0.2: 112.45,79.45 112.45,80.95 v1(112.5,81)
  Top w0.3: 95.95,55.57 95.95,55.45 95.3,54.8 94.05,54.8 ; C20.2 29.88,27.5 29.5,27.5 28.95,26.95 28.95,26.73 ; 102.95,54.37 102.95,54.15 102.4,53.6 101.15,53.6 101.05,53.7 ; 21.95,48.1 20.6,48.1 20.05,47.55 20.05,47.33
  Top w0.5: v1(102.4,51.7) 102.25,51.7 101.15,52.8 101.15,52.15 v1(101.6,51.7) ; 94.05,54.1 94.05,55.57 ; 21.95,48.8 21.95,47.33 ; v1(94.8,53) 94.8,53.35 94.15,54 ; v1(21.8,51.3) 21.85,51.25 21.85,48.9 ; v1(21.8,49.9) 21.85,49.85 21.85,48.9 ; v1(94,53) 94,53.85 94.15,54 ; 94.15,54 93.15,53 v1(93,53) ; v1(21.8,50.6) 21.85,50.55 21.85,48.9 ; 30.85,28.2 30.85,26.73 ; 101.05,54.37 101.05,52.9 100.8,52.65 v1(100.8,51.7)
  In4.Cu w0.15: v1(21.8,51.3) 21.6,51.3 20.5,52.4 20.5,55.6 22,57.1 v1(22,60)
  Bottom w0.3: TP3.1 24,62 v1(22,60)
  vias: v1(30.7,29.3) v1(31.1,29.9) v1(31.7,29.3) v1(111.4,83.2) v1(111.4,82.1) v1(111.4,81) v1(112.5,82.1) v1(113.5,81)
/1.LO/3V3_LDO1_LO1: length 13.4
  Top w0.5: 78.3,30.1 78.54,30.1 79.44,31
  Top w1: 77.4,31 79.07,29.33 79.07,26 72.93,26
/1.LO/3V3_LDO2_LO1: length 2.8
  Top w0.5: 82.94,20.5 82.79,20.65 81.6,20.65 ; 80.12,20.75 81.5,20.75
/1.LO/3V3_LO1_1: length 34.3
  Top w0.2: 90.3,30.35 90.49,30.16
  Top w0.3: 95.06,26.3 93.86,26.3 ; 93.86,26.3 93.86,27.5 95.06,27.5 ; 93.86,26.3 93.86,25.1 ; 90.49,29 v1(90.49,28.9) 90.49,28.15 ; 90.49,29 90.37,28.89 89.75,28.89 ; 90.49,29 v1(90.49,29.6) 90.49,30.16
  Top w0.5: 80.56,31 v1(81.5,31) v1(82.2,31) ; v1(90.49,28.9) 90.49,29 ; v1(93.86,23.9) 93.86,29.22 R35.2
  In3.Cu w0.5: v1(90.49,28.9) 92.25,28.9 93.88,27.27 93.88,23.91 v1(93.86,23.9)
  In4.Cu w0.5: v1(81.5,31) v1(82.2,31) 89.09,31 v1(90.49,29.6) v1(90.49,28.9)
  Bottom w0.2: TP16.1 v1(81.5,31)
/1.LO/3V3_LO1_2: length 16.7
  Top w0.2: IC21.6 v1(88.75,22.9)
  Top w0.3: 90.49,25.15 91.05,25.15 91.4,24.8 91.4,24.2 v1(90.5,23.3)
  Top w0.5: 84.01,20.5 84.01,19.15 ; v1(83.6,21.4) 84.01,20.99 L29.2 84.01,21.01 v1(84.4,21.4)
  In3.Cu w0.5: v1(83.6,21.4) 87.25,21.4 v1(88.75,22.9) 90.1,22.9 v1(90.5,23.3)
  Bottom w0.2: TP15.1 84.48,21.4 v1(84.4,21.4)
/1.LO/3V3_LO1_3: length 10.3
  Top w0.3: 85.51,24.65 v1(84.5,24.65) 83.71,24.65 83.46,24.9 ; 85.51,26.65 84.75,26.65 v1(84.5,26.9) 84.38,27.02 C83.1 83.26,27.02 82.98,27.3 82.98,28.46 83.8,29.28 L65.1
  In3.Cu w0.3: v1(84.5,24.65) 85.2,25.35 85.2,26.2 v1(84.5,26.9)
/2.LO + Ref Clock/3V3_CLKGEN: length 18.8
  Top w0.25: 90.03,46.81 v1(90.02,46.82)
  Top w0.3: C32.2 92.64,45.26 92.68,45.3 v1(93.1,45.3) 93.4,45 94.05,45 94.05,45.65 94.35,45.95 95,45.95 ; L10.2 90.03,46.81 ; 96.3,39.96 96.3,40.05 96.2,40.15 v1(96.2,40.9) 96,41.1 96,42.05 ; 94.05,43.5 93.4,43.5 93,43.1 v1(93,43)
  In4.Cu w0.3: v1(96.2,40.9) 95.1,40.9 v1(93,43) 93.1,43.1 v1(93.1,45.3) 93.1,45.68 91.96,46.82 v1(90.02,46.82)
/Attenuator Amp Switches/3V3_HBLB_AMP: length 7.1
  Top w0.3: 63.34,23.9 63.34,23.66 64.36,22.64 64.36,22.4 ; 61.4,23.58 62.93,23.58 63.22,23.87 63.31,23.78
  Top w0.5: 65.2,20.44 65.2,22.4 ; 65.2,22.4 64.36,22.4 ; 65.2,22.4 65.54,22.4
/Attenuator Amp Switches/3V3_HBLB_AMP_L: length 1.3
  Top w0.5: 62.15,20.4 63.44,20.4
/Attenuator Amp Switches/3V3_HBLB_ATT: length 11.7
  Top w0.2: 63.91,33.35 63.75,33.35
  Top w0.3: v1(62.2,26.5) 61.85,26.85 61.85,27.52 ; 64,33.44 65.2,33.44 ; 63.75,33.35 v1(63.1,32.7) 62.35,31.95 62.35,31.48
  In4.Cu w0.5: v1(62.2,26.5) 63.3,27.6 63.3,31.6 63.1,31.8 v1(63.1,32.7)
/Attenuator Amp Switches/3V3_HBLB_SWITCH: length 4
  Top w0.3: 59.8,39.17 59.8,40.24 60.56,41 62.44,41
/Attenuator Amp Switches/3V3_P1_SWITCH: length 3.7
  Top w0.2: 27.97,10.62 26.65,11.94 24.8,11.94
/Attenuator Amp Switches/3V3_P2_SWITCH: length 3.9
  Top w0.3: 85.3,10.34 85.6,10.64 85.6,10.95 ; 85.6,10.95 84.09,10.95 84,11.04 ; 85.6,10.95 86.64,10.95 86.97,10.62
/Attenuator Amp Switches/3V3_P12_SWITCH: length 3.5
  Top w0.3: 62.46,5.8 62.6,5.8 ; 62.6,5.8 62.55,5.8 62,6.35 62,7.12 ; 62.6,5.8 64.25,5.8 64.25,5.89
/HF Source/3v3_LDO1_SRC: length 12.2
  Top w0.5: 80.46,55 80.46,57.24 80.3,57.4 80.3,57.2 80.6,56.9
  Top w1: 80.6,56.9 82.53,56.9 83.23,57.6 89.37,57.6
/HF Source/3V3_LDO2_SRC: length 3
  Top w0.5: 77.08,58.95 75.6,58.95 ; 73.86,59.2 75.35,59.2
/HF Source/3V3_SRC_1: length 36.2
  Top w0.3: 65.56,49.8 65.56,50.5 64.35,50.5 ; 65.56,49.8 65.6,49.76 66.3,49.76 ; 65.56,49.8 v1(65.56,49) ; 65.56,48.29 65.7,48.15 65.7,48.06 ; v1(64,54.5) 63.1,54.5 63.1,55.14 63.1,53.96 ; 64.3,49.36 64.3,50.54
  Top w0.5: 79.34,55 v1(78.4,55) v1(77.6,55) ; 65.56,48.29 v1(65.56,49)
  In3.Cu w0.5: v1(78.4,55) v1(77.6,55) 77.6,53.3 71.6,47.3 67.26,47.3 v1(65.56,49) v1(65.56,49.7) 63.7,51.56 63.7,54.2 v1(64,54.5)
  Bottom w0.2: v1(77.6,55) 77,55 TP14.1
/HF Source/3V3_SRC_2: length 43.9
  Top w0.2: IC12.3 50.28,40.48 v1(50.3,40.5) ; IC11.3 52.1,48.18 v1(52.1,47.6) ; 67.3,54.66 v1(67.3,55.7)
  Top w0.3: 65.56,53.5 v1(64.6,53.5)
  Top w0.5: 72.74,60.7 72.74,59.2 72.65,59.11 72.65,58.65 ; 72.65,58.65 v1(72.2,58.2) ; 72.65,58.65 72.65,58.55 v1(73,58.2)
  In4.Cu w0.5: v1(52.1,47.6) 52.9,47.6 53,47.5 ; v1(73,58.2) v1(72.2,58.2) 68.9,58.2 67.3,56.6 v1(67.3,55.7) 65.1,53.5 v1(64.6,53.5) 55.5,53.5 53,51 53,47.5 ; 53,47.5 53,43.2 v1(50.3,40.5)
  Bottom w0.2: TP13.1 v1(73,58.2)
/HF Source/3V3_SRC_3: length 11.7
  Top w0.3: 72.34,51.21 72.8,50.75 v1(72.8,50.3) ; 72.34,51.3 72,51.3 71.3,52 70.54,52 ; 70.54,54 72.04,54 72.34,53.7 ; 72.8,55.76 v1(72.8,54.7) 72.8,54.25 72.34,53.79